# Altium PCB FINAL_PCB_VER1.PcbDoc (part 1 of 4) (continued)
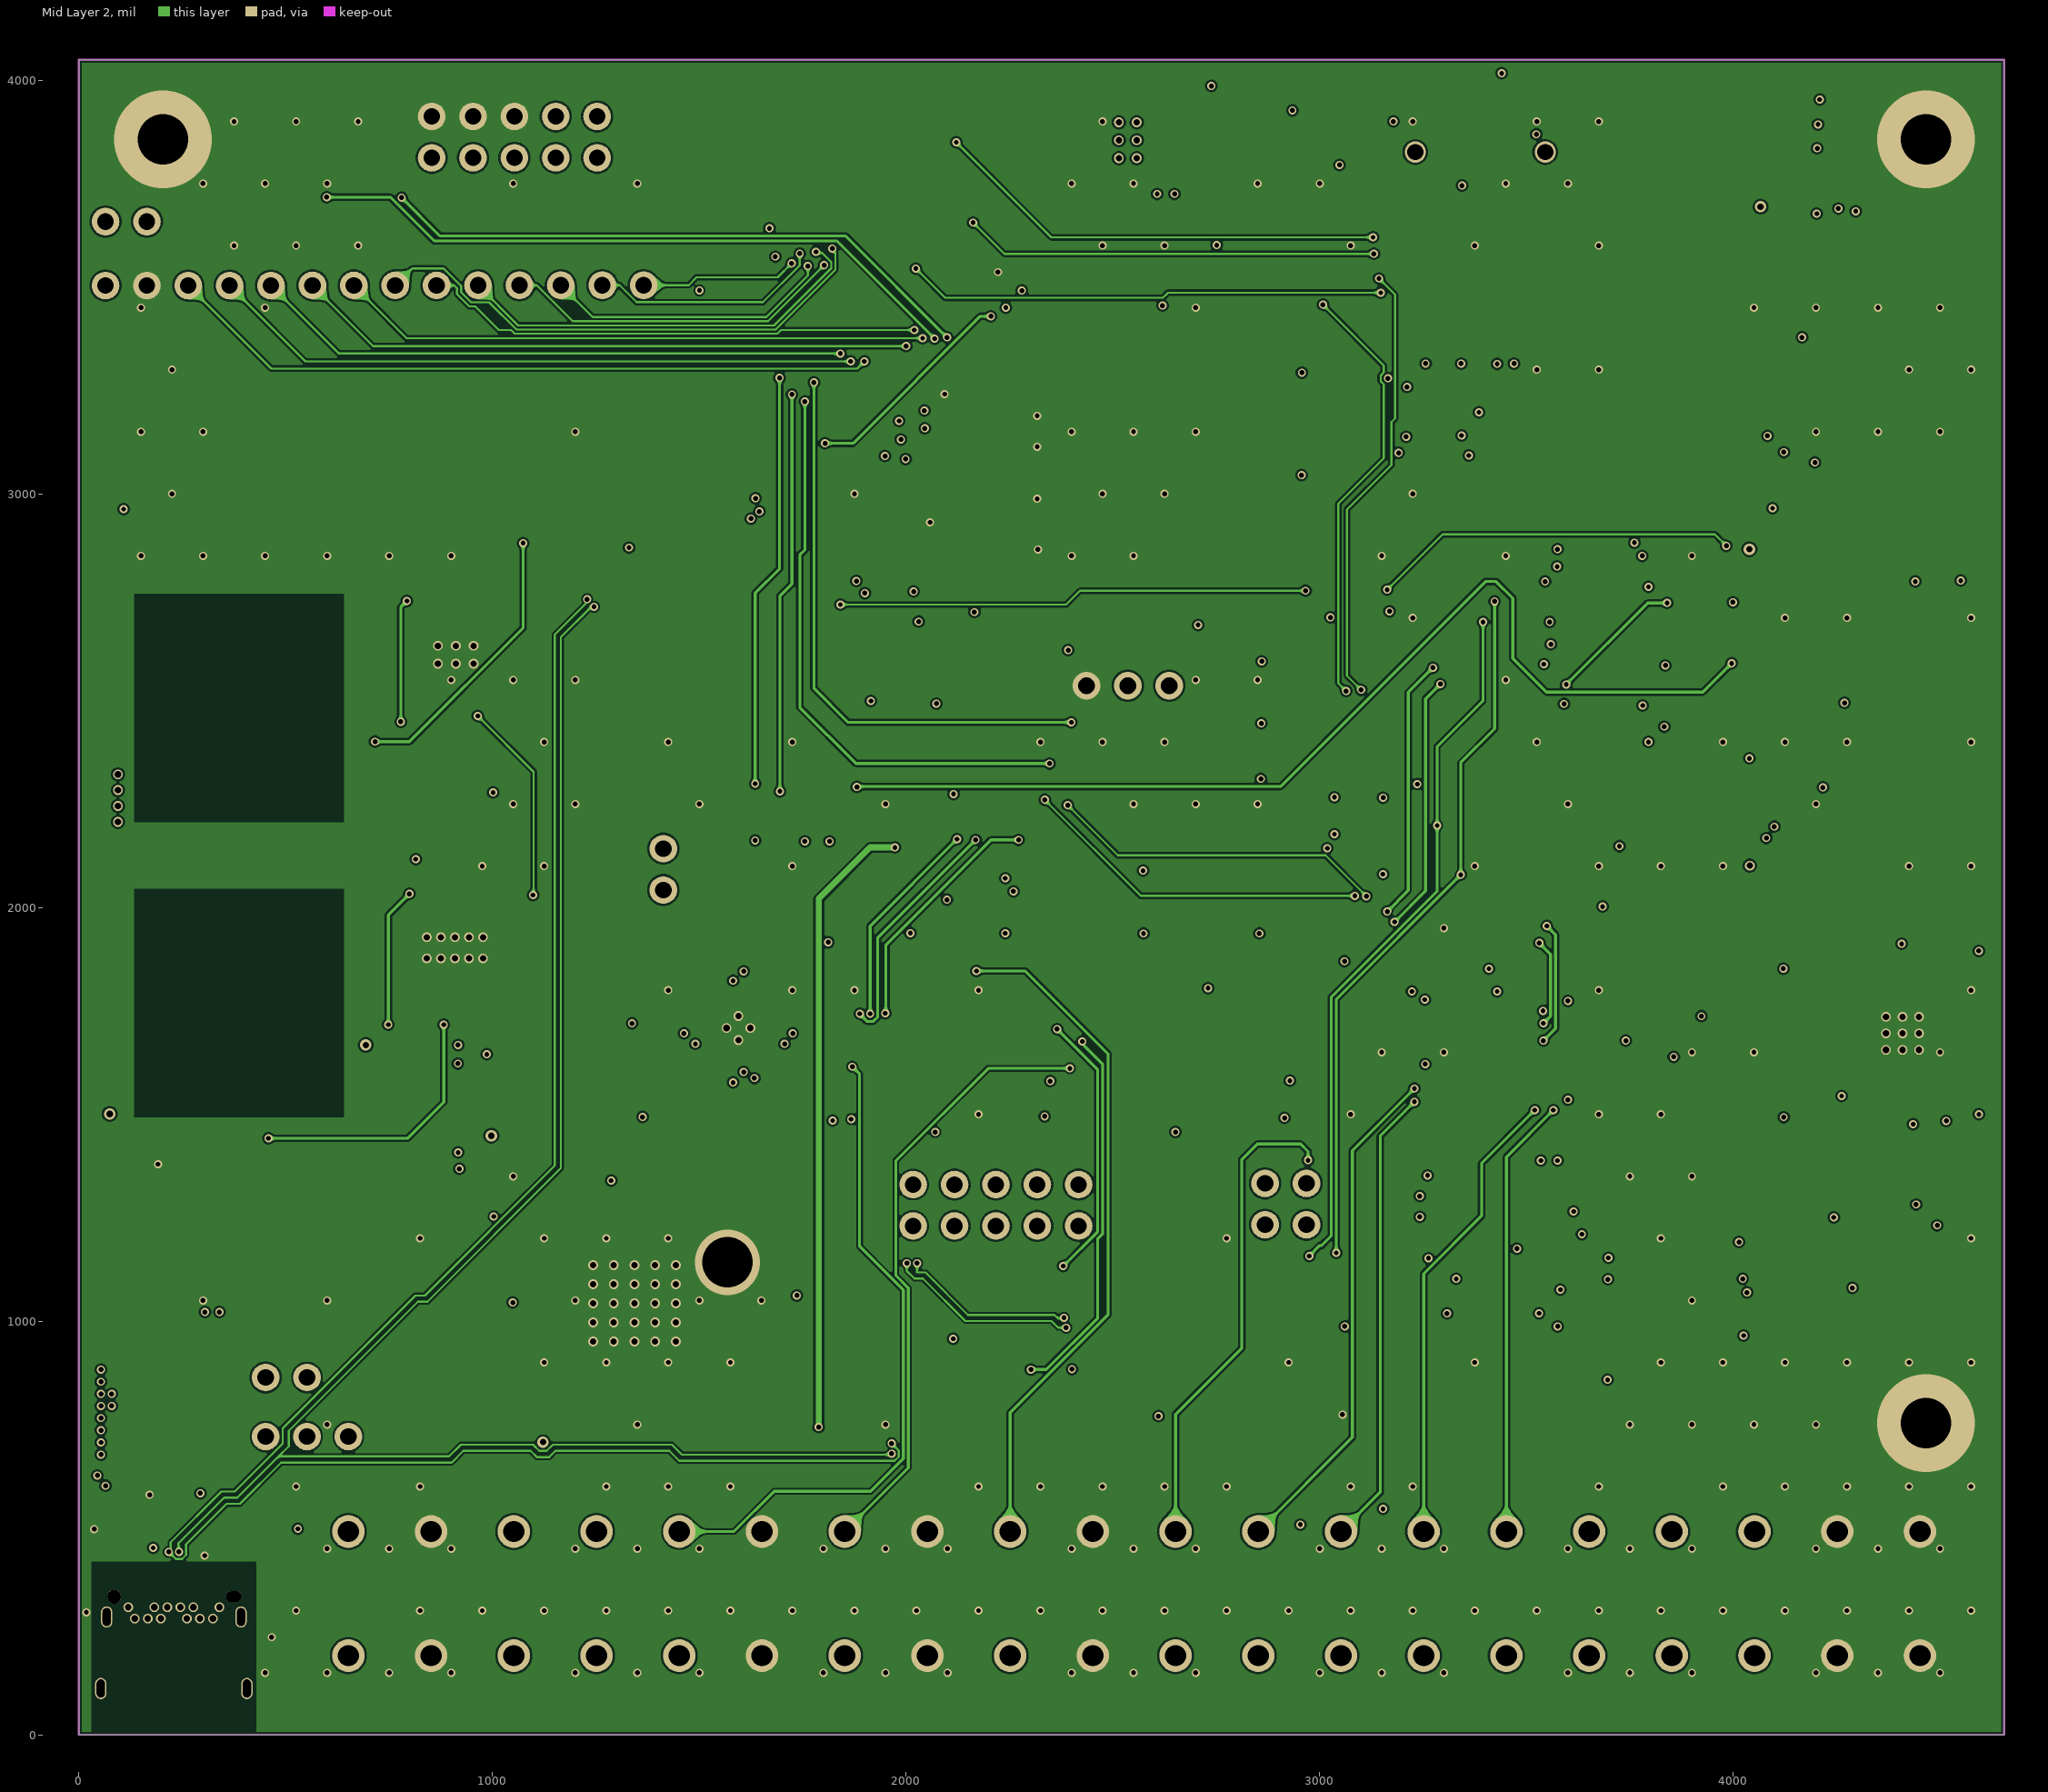
[diagram p3: Mid Layer 2]

## Layer stack, top to bottom
Top Solder: solder mask 0.4, Solder Resist, Dk 3.5
Top Layer: signal copper 1.4
Dielectric 2: prepreg 2.8, PP-006, Dk 4.1
Mid Layer 1: signal copper 1.378
Dielectric 1: dielectric 12.6, FR-4, Dk 4.8
Mid Layer 2: signal copper 1.378
Dielectric 3: prepreg 2.8, PP-006, Dk 4.1
Bottom Layer: signal copper 1.4
Bottom Solder: solder mask 0.4, Solder Resist, Dk 3.5

## Board outline
0,0 4655,0 4655,4049 0,4049

## Design rules (kind name [scope] priority, off if disabled: settings)
Clearance [All] p1: gap=5 ignorepadtopadclearanceinfootprint=FALSE
DiffPairsRouting [All] p1: maxlimit=10 minlimit=10 mostfreqgap=10 toplayer_minwidth=5 toplayer_maxwidth=15 toplayer_prefwidth=15 midlayer1_minwidth=5 midlayer1_maxwidth=15 midlayer1_prefwidth=15 midlayer2_minwidth=5 midlayer2_maxwidth=15 midlayer2_prefwidth=15 bottomlayer_minwidth=5 bottomlayer_maxwidth=15 bottomlayer_prefwidth=15 maxuncoupledlength=500
PolygonConnect PolygonConnect_7 [All vs IsNamedPolygon('GND_L01_P000') Or IsNamedPolygon('GND_L01_P003') Or IsNamedPolygon('GND_L01_P005') Or IsNamedPolygon('GND_L02_P004') Or IsNamedPolygon('GND_L03_P006') Or IsNamedPolygon('GND_L04_P007')] p1: connectstyle=Direct reliefconductorwidth=10 reliefentries=4 polygonreliefangle="90 Angle" airgapwidth=10
PolygonConnect PolygonConnect_6 [All vs IsNamedPolygon('GND_L01_P005')] p2: connectstyle=Direct reliefconductorwidth=10 reliefentries=4 polygonreliefangle="90 Angle" airgapwidth=10
PolygonConnect PolygonConnect_5 [All vs IsNamedPolygon('GND_L01_P000') Or IsNamedPolygon('GND_L01_P003')] p3: connectstyle=Direct reliefconductorwidth=10 reliefentries=4 polygonreliefangle="90 Angle" airgapwidth=10
PolygonConnect PolygonConnect_4 [All vs IsNamedPolygon('GND_L02_P004')] p4: connectstyle=Direct reliefconductorwidth=10 reliefentries=4 polygonreliefangle="90 Angle" airgapwidth=10
PolygonConnect PolygonConnect_3 [All vs IsNamedPolygon('GND_L01_P003')] p5: connectstyle=Direct reliefconductorwidth=10 reliefentries=4 polygonreliefangle="90 Angle" airgapwidth=10
PolygonConnect PolygonConnect_2 [All vs IsNamedPolygon('GND_L01_P001')] p6: connectstyle=Direct reliefconductorwidth=10 reliefentries=4 polygonreliefangle="90 Angle" airgapwidth=10
PolygonConnect PolygonConnect_1 [All vs IsNamedPolygon('GND_L01_P000')] p7: connectstyle=Direct reliefconductorwidth=10 reliefentries=4 polygonreliefangle="90 Angle" airgapwidth=10
PolygonConnect [All] p8: connectstyle=Relief reliefconductorwidth=10 reliefentries=4 polygonreliefangle="90 Angle" airgapwidth=10
RoutingVias [All] p1: holewidth=11.81 width=19.68 viastyle="Through Hole" minholewidth=11.81 minwidth=3.94 maxholewidth=19.68 maxwidth=31.5
SolderMaskExpansion [All] p1: expansion=4 istentingtop=FALSE
Width [All] p1: maxlimit=50 minlimit=5 preferedwidth=7
29 further rules are at their usual default settings.

## Classes and differential pairs
component class TTL-RS485: C2000 C2001 C2002 C2003 C2004 C2005 C2006 D2000 D2001 D2002 D2003 D2004 D2007 F2000 F2001 H2000 J2000 R2000 R2001 R2002 R2003 R2004 R2005 R2006 R2007 R2008 R2009 R2010 R2012 R2014 S2000 U2000 U2001 U2002 X2000
component class MCU_STM32H743VIT6: B5000 B5001 B5002 C5000 C5001 C5002 C5003 C5004 C5005 C5006 C5007 C5008 C5009 C5010 C5011 C5012 C5013 C5014 C5015 C5016 C5017 C5018 CN5000 CN5001 CN5002 CN5003 D5000 D5001 H5000 J5000 R5000 R5001 R5002 R5003 R5004 R5005 R5006 R5007 R5008 R5009 R5010 R5011 R5014 R5015 R5016 R5017 R5026 R5027 R5028 R5029 R5030 R5031 R5032 S5001 SB5000 SB5001 SB5002 SB5003 SB5004 SB5005 SB5006 SB5007 SB5008 SB5009 SB5010 SB5011 SB5012 SB5013 SB5014 SB5015 U5000 U5001 U5002 U5003 U5004 U5005 X5000 X5001
component class ESP32-LORA_RA_08H: B4000 B4001 B4002 B4003 C4000 C4001 C4002 C4003 C4004 C4009 C4010 C4011 D4000 D4001 D4002 D4003 D4004 D4005 D4006 D4007 R4000 R4001 R4002 R4003 R4004 R4005 R4006 R4007 R4008 R4009 R4010 R4011 R4012 R4013 R4014 R4015 R4016 R4017 R4018 R4019 R4020 R4021 R4022 R4023 R4024 R4025 R4026 R4027 R4028 R4029 R4030 S4000 S4001 T4000 T4001 T4002 T4003 T4004 U4000 U4002 X4000 X4001
component class DC-DC: C1000 C1001 C1002 C1003 C1004 C1005 C1006 C1007 C1008 C1009 C1010 C1011 C1012 C1013 C1014 C1015 C1016 C1017 C1018 C1019 C1020 C1021 C1022 C1023 C1024 C1025 C1026 C1027 C1028 C1029 C1030 C1031 C1032 C1033 C1034 D1000 D1001 D1002 D1003 D1004 D1005 D1006 D1007 D1008 D1009 D1010 D1013 D1014 D1015 D1018 F1000 F1001 H1000 J1000 J1001 J1002 L1000 L1001 R1000 R1001 R1002 R1003 R1004 R1005 R1006 R1007 R1008 R1009 R1010 R1011 R1012 R1013 R1014 R1015 R1016 R1017 R1018 R1019 R1020 R1021 R1022 R1023 R1024 R1025 R1026 R1027 R1028 R1029 S1000 SB1000 T1000 U1000 U1001 U1002 U1003 U1004 U1005 U1006 U1007 U1008 U1009 VR1000 VR1001 X1000 X1002
component class ADC: C3000 C3001 C3002 C3003 C3004 C3005 C3006 C3007 C3008 C3009 C3010 C3011 C3012 C3013 C3014 C3015 C3016 C3017 C3018 C3019 C3020 C3021 C3022 C3023 C3024 C3025 C3026 D3000 D3001 D3002 D3003 R3000 R3001 R3002 R3003 R3004 R3005 R3006 R3007 R3008 R3009 R3010 R3011 R3012 TVS3000 TVS3001 U3000 U3001 U3002 U3003 U3004 U3005 U3006 U3007 U3008 VR3000 VR3001
differential pair UD: +UD_P -UD_N
differential pair USB1: +USB1_P -USB1_N
differential pair D1: +D1_P -D1_N

## Components (designator, comment, footprint, x,y, rotation, side; value= is the part's Value field where it differs from the comment)
B4000 "TACTILE 3X4MM" "TACTILE 3X4MM" 4290,2546 r0 top value=N/A
B4001 "TACTILE 3X4MM" "TACTILE 3X4MM" 4290,2396 r180 top value=N/A
B4002 "TACTILE 3X4MM" "TACTILE 3X4MM" 4290,2846 r180 top value=N/A
B4003 "TACTILE 3X4MM" "TACTILE 3X4MM" 4290,2696 r180 top value=N/A
B5000 "FERRITE BEAD 600 OHM" "FERRITE BEAD 0603" 2544,3454 r180 top value="600 OHM"
B5001 "RESET BUTTON" "TACTILE 3X4MM" 531,3862.24 r90 top value=N/A
B5002 "USER BUTTON" "TACTILE 3X4MM" 710,3862.24 r90 top value=N/A
C1000 "4.7uF" "CAP CER 0805" 844.69,1128.68 r180 top
C1001 "4.7uF" "CAP CER 0805" 844.69,1050.68 r180 top
C1002 "10uF" "CAP TAN 1206" 932,637 r180 top
C1003 "10uF" "CAP TAN 1206" 981.41,1088 r90 top
C1004 "10uF" "CAP CER 1206" 345.85,840.79 r90 top
C1005 "1uF" "CAP CER 1206" 107.41,979.79 r90 top
C1006 "4.7uF" "CAP CER 0805" 1846.8,801 r180 top
C1007 "4.7uF" "CAP CER 0805" 1846.8,878.83 r180 top
C1008 "10uF" "CAP TAN 1206" 1753.69,1288 r0 top
C1009 "10uF" "CAP TAN 1206" 1716.17,839 r270 top
C1010 "10nF" "CAP CER 0603" 811.31,1716.78 r0 top
C1011 "10uF" "CAP TAN 2312" 1567,867.83 r270 top
C1012 "4.7uF" "CAP CER 0805" 912.05,2169.15 r0 top
C1013 "4.7uF" "CAP CER 0805" 912.05,2089.78 r0 top
C1014 "47uF" "CAP CER 1206" 191.05,1339.78 r180 top
C1015 "47uF" "CAP CER 1206" 191.05,1429.11 r180 top
C1016 "220uF" "CAP ALUM 6377" 448.08,1324.78 r180 top
C1017 "10uF" "CAP TAN 2312" 1122,867.83 r270 top
C1018 "100nF" "CAP CER 0603" 1399.58,1670.04 r180 top
C1019 "100nF" "CAP CER 0603" 1607.37,1513.42 r270 top
C1020 "100nF" "CAP CER 0603" 1789.58,1746.81 r0 top
C1021 "100nF" "CAP CER 0603" 1789.58,1670.04 r180 top
C1022 "100nF" "CAP CER 0603" 801.05,2407.78 r0 top
C1023 "47uF" "CAP CER 1206" 695.05,2292.78 r90 top
C1024 "47uF" "CAP CER 1206" 787.05,2292.78 r90 top
C1025 "10nF" "CAP CER 0805" 912.43,2408.45 r0 top
C1026 "4.7uF" "CAP CER 0805" 912.43,2328.48 r0 top
C1027 "4.7uF" "CAP CER 0805" 912.43,2248.52 r0 top
C1028 "47pF" "CAP CER 0603" 958.77,2855.78 r0 top
C1029 "1nF" "CAP CER 0603" 958.77,2794.78 r0 top
C1030 "10nF" "CAP CER 0805" 1030.05,2408.45 r0 top
C1031 "1uF" "CAP CER 0603" 62,2940.28 r270 top
C1032 "1uF" "CAP CER 0603" 93.31,3184 r0 top
C1033 "1uF" "CAP CER 0603" 1065.76,1181 r270 top
C1034 "1uF" "CAP CER 0603" 1217,1317.07 r270 top
C2000 "100nF" "CAP CER 0603" 3636,957.47 r0 top
C2001 "100nF" "CAP CER 0603" 3637,1352 r0 top
C2002 "33pF" "CAP CER 0603" 3637,1302 r0 top
C2003 "100nF" "CAP CER 0603" 2146.95,804.58 r270 top
C2004 "100nF" "CAP CER 0603" 2581.95,933 r0 top
C2005 "22pF" "CAP CER 0603" 2719.87,1184 r0 top
C2006 "22pF" "CAP CER 0603" 2570.74,1184 r180 top
C3000 "0.47uF" "CAP CER 0603" 2003.11,1609 r180 top
C3001 "0.47uF" "CAP CER 0603" 2003.11,1510.2 r180 top
C3002 "100nF" "CAP CER 0603" 2951.2,1535.8 r0 top
C3003 "100nF" "CAP CER 0603" 2581.2,1457 r180 top
C3004 "100nF" "CAP CER 0603" 3599,1839.41 r90 top
C3005 "100nF" "CAP CER 0603" 3544,1839.41 r90 top
C3006 "0.47uF" "CAP CER 0603" 2581.2,1510.2 r180 top
C3007 "0.47uF" "CAP CER 0603" 2581.2,1609 r180 top
C3008 "100nF" "CAP CER 0603" 2373.11,1535.8 r0 top
C3009 "100nF" "CAP CER 0603" 2003.11,1457 r180 top
C3010 "100nF" "CAP CER 0603" 3544,1604.66 r90 top
C3011 "100nF" "CAP CER 0603" 3599,1604.66 r90 top
C3012 "4.7nF" "CAP CER 0603" 1983,1869 r270 top
C3013 "22nF" "CAP CER 0603" 2129.78,1869 r270 top
C3014 "100nF" "CAP CER 0603" 2076.78,1869 r90 top
C3015 "100nF" "CAP CER 0603" 1913.78,2088.57 r270 top
C3016 "100nF" "CAP CER 0603" 1913.78,1988.57 r90 top
C3017 "4.7nF" "CAP CER 0603" 3075.7,1607 r0 top
C3018 "22nF" "CAP CER 0603" 2890,1869 r270 top
C3019 "100nF" "CAP CER 0603" 2951,2088.57 r270 top
C3020 "100nF" "CAP CER 0603" 2951,1988.57 r270 top
C3021 "100nF" "CAP CER 0603" 2484,2088.57 r270 top
C3022 "100nF" "CAP CER 0603" 2484,1988.57 r90 top
C3023 "100nF" "CAP CER 0603" 2430,2088.57 r270 top
C3024 "100nF" "CAP CER 0603" 2430,1988.57 r90 top
C3025 "100nF" "CAP CER 0603" 2333.78,2088.57 r270 top
C3026 "100nF" "CAP CER 0603" 2333.78,1988.57 r90 top
C4000 "100nF" "CAP CER 0603" 4492,2546 r270 top
C4001 "100nF" "CAP CER 0603" 4492,2396 r270 top
C4002 "10uF" "CAP CER 0603" 3887,1999.67 r90 top
C4003 "100nF" "CAP CER 0603" 3943,1999.67 r90 top
C4004 "100nF" "CAP CER 0603" 4492,2846 r90 top
C4009 "100nF" "CAP CER 0603" 4492,2696 r90 top
C4010 "10uF" "CAP CER 0603" 3924,3599.33 r90 top
C4011 "100nF" "CAP CER 0603" 3983,3599.33 r90 top
C5000 "100nF" "CAP CER 0603" 1477,3615 r180 top
C5001 "100nF" "CAP CER 0603" 1393,2844.94 r270 top
C5002 "100nF" "CAP CER 0603" 2302,3614 r0 top
C5003 "100nF" "CAP CER 0603" 1477,3561 r180 top
C5004 "100nF" "CAP CER 0603" 2302,3560 r0 top
C5005 "100nF" "CAP CER 0603" 2177.64,2764 r0 top
C5006 "100nF" "CAP CER 0603" 1454,2844.94 r270 top
C5007 "1.5pF" "CAP CER 0603" 2363.83,3081.22 r270 top
C5008 "1.5pF" "CAP CER 0603" 2363.83,3230.35 r90 top
C5009 "2.2uF" "CAP CER 0603" 1422,2968.78 r180 top
C5010 "2.2uF" "CAP CER 0603" 1610,3561 r180 top
C5011 "3.9pF" "CAP CER 0603" 2363.83,2858.63 r270 top
C5012 "3.9pF" "CAP CER 0603" 2363.83,2961.63 r90 top
C5013 "100nF" "CAP CER 0603" 531,3669 r0 top
C5014 "100nF" "CAP CER 0603" 710,3669 r0 top
C5015 "100nF" "CAP CER 0603" 3462.32,3916.53 r0 top
C5016 "100nF" "CAP CER 0603" 2740.79,3929.52 r0 top
C5017 "100nF" "CAP CER 0603" 3462.32,3970.99 r0 top
C5018 "100nF" "CAP CER 0603" 3096,2661 r0 top
CN5000 "SMD HEADER 10X2X2.54MM" "SMD HEADER 10X2X2.54MM" 1841,2487.56 r180 top value=N/A
CN5001 "SMD HEADER 10X2X2.54MM" "SMD HEADER 10X2X2.54MM" 800.04,3096.44 r180 top value=N/A
CN5002 "SMD HEADER 10X2X2.54MM" "SMD HEADER 10X2X2.54MM" 1851.83,3856.44 r0 top value=N/A
CN5003 "SMD HEADER 8X2X2.54MM" "SMD HEADER 8X2X2.54MM" 2957,3165.63 r270 top value=N/A
D1000 "LED RED" "LED RED 0603" 1209,625 r180 top value=N/A
D1001 "SS14 - 40V/1A" DO-214AC 730.05,1898.38 r90 top value=1A
D1002 "SS14 - 40V/1A" DO-214AC 730.05,2610.78 r90 top value=1A
D1003 "LED RGB 5050" "LED RGB 5050" 1183,1585 r0 top value="5 x 5 x 1.5mm"
D1004 "PSD12C" SOD-323 1451.41,646 r90 top value="50 pF, 29.5V"
D1005 "PSD12C" SOD-323 1851.41,646 r90 top value="50 pF, 29.5V"
D1006 "PSD12C" SOD-323 2251.41,646 r90 top value="50 pF, 29.5V"
D1007 "PSD12C" SOD-323 2651.41,646 r90 top value="50 pF, 29.5V"
D1008 "PSD12C" SOD-323 3051.41,646 r90 top value="50 pF, 29.5V"
D1009 "PSD12C" SOD-323 3251.41,646 r90 top value="50 pF, 29.5V"
D1010 "PSD12C" SOD-323 3451.41,646 r90 top value="50 pF, 29.5V"
D1013 "PSD12C" SOD-323 3651.41,646 r90 top value="50 pF, 29.5V"
D1014 "PSD12C" SOD-323 3851.41,646 r90 top value="50 pF, 29.5V"
D1015 "PSD12C" SOD-323 4051.41,646 r90 top value="50 pF, 29.5V"
D1018 "PSD12C" SOD-323 2851.41,646 r90 top value="50 pF, 29.5V"
D2000 "SMBJ36CA" DO-214AA 3153.31,916 r270 top value="36V 58.1V"
D2001 "SMBJ36CA" DO-214AA 3153.31,1239.68 r270 top value="36V 58.1V"
D2002 "SMBJ36CA" DO-214AA 2953.31,916 r90 top value="36V 58.1V"
D2003 "LL4148" SOD-80 3423,1453 r180 top value=100V/0.2A
D2004 "LED R/B 0805" "LED RB 0805" 3634,1210 r180 top value=0805
D2007 "LED R/B 0805" "LED RB 0805" 2597.96,867.25 r0 top value=0805
D3000 "PSD12C" SOD-323 1919.5,1567.51 r270 top value="50 pF, 29.5V"
D3001 "PSD12C" SOD-323 2494.2,1567.51 r270 top value="50 pF, 29.5V"
D3002 "1N4148W-E3-18" SOD-123 3135,1760 r270 top value="75V 150mA"
D3003 "1N4148W-E3-18" SOD-123 3052.98,1760 r90 top value="75V 150mA"
D4000 "1N4148W-E3-18" SOD-123 4042.41,1080.74 r90 top value="75V 150mA"
D4001 "LED RGB 5050" "LED RGB 5050" 4504.91,2195 r0 top value="5 x 5 x 1.5mm"
D4002 "PSD12C" SOD-323 3825,1999.67 r90 top value="50 pF, 29.5V"
D4003 "1N4148W-E3-18" SOD-123 3476.9,3013 r180 top value="75V 150mA"
D4004 "LED RGB 5050" "LED RGB 5050" 3854,3908 r180 top value="5 x 5 x 1.5mm"
D4005 "1N4148W-E3-18" SOD-123 3751.09,3623 r90 top value="75V 150mA"
D4006 "LED R/B 0805" "LED RB 0805" 3770,3031.38 r0 top value=0805
D4007 "PSD12C" SOD-323 3857,3599.33 r90 top value="50 pF, 29.5V"
D5000 "LED RGB 5050" "LED RGB 5050" 3398.42,3560.05 r0 top value="5 x 5 x 1.5mm"
D5001 "LED RED" "LED RED 0603" 2635.44,2623 r0 top value=N/A
F1000 "MF-MSMF250/16V/2.5A" "FUSE 1812" 604.41,1046.79 r180 top value=16V/2.5A
F1001 "MF-NSMF200-2 6V/2A" "FUSE 1206" 188.05,1238.78 r180 top value=6V/2A
F2000 "MF-NSMF200-2 6V/2A" "FUSE 1206" 3153.31,661.79 r90 top value=6V/2A
F2001 "MF-NSMF200-2 6V/2A" "FUSE 1206" 2953.31,661.79 r90 top value=6V/2A
H1000 "3PIN JUMPER" "JUMPER 3" 551.41,720.79 r0 top value=N/A
H2000 "HEADER 5X2" "HEADER 5X2" 2217,1280 r0 top value=N/A
H5000 "HEADER 5X2" "HEADER 5X2" 1053,3862.24 r180 top value=N/A
J1000 "JUMPER 2" "JUMPER 2" 501.41,863.79 r0 top value=N/A
J1001 "JUMPER 2" "JUMPER 2" 1413,2092 r90 top value=N/A
J1002 "JUMPER 2" "JUMPER 2" 114.23,3658 r0 top value=N/A
J2000 "JUMPER 2X2" "JUMPER 2X2" 2868,1283 r270 top value=N/A
J5000 "JUMPER 3" "JUMPER 3" 2536.09,2536 r0 top value=N/A
L1000 "LD127-22uH" "INDUCTOR 1280" 387.05,1769.04 r270 top value=N/A
L1001 "LD127-6.8uH" "INDUCTOR 1280" 387.05,2481.7 r270 top value=N/A
R1000 "0R" "RESC 0805(2012) SMD" 152.44,853.79 r0 top
R1001 "0R" "RESC 0603(1608) SMD" 761.41,726.18 r90 top
R1002 "100R" "RESC 1206(3116) SMD" 310.41,720.6 r0 top
R1003 "100KR" "RESC 0805(2012) SMD" 454.41,496.79 r0 top
R1004 "5.1KR" "RESC 0805(2012) SMD" 454.41,633.45 r180 top
R1005 "5.1KR" "RESC 0805(2012) SMD" 454.41,565.12 r180 top
R1006 "0R" "RESC 0603(1608) SMD" 1934.07,1194.61 r270 top
R1007 "0R" "RESC 0805(2012) SMD" 1209,688 r0 top
R1008 "680R" "RESC 0603(1608) SMD" 1108,625 r180 top
R1009 "10.2KR" "RESC 0603(1608) SMD" 955.48,1716.78 r0 top
R1010 "2.2R" "RESC 0603(1608) SMD" 811.31,1667.43 r180 top
R1011 "0.1R" "RESC 2512 SMD" 811.81,1516.79 r180 top
R1012 "2.2R" "RESC 0603(1608) SMD" 811.31,1622.43 r180 top
R1013 "10KR" "RESC 0603(1608) SMD" 1399.58,1721.22 r180 top
R1014 "2.2R" "RESC 0603(1608) SMD" 352.87,946.79 r0 top
R1015 "0.1R" "RESC 2512 SMD" 324.41,1046.79 r0 top
R1016 "2.2R" "RESC 0603(1608) SMD" 219.41,946.79 r180 top
R1017 "47KR" "RESC 0603(1608) SMD" 1030.05,2328.49 r180 top
R1018 "680R" "RESC 0603(1608) SMD" 1531.8,1909.25 r90 top
R1019 "680R" "RESC 0603(1608) SMD" 1399.58,1764.42 r180 top
R1020 "680R" "RESC 0603(1608) SMD" 1556.19,1513.42 r270 top
R1021 "2.2R" "RESC 0603(1608) SMD" 811.31,1407.66 r180 top
R1022 "10KR" "RESC 0603(1608) SMD" 1225.55,1936.79 r90 top
R1023 "0.1R" "RESC 2512 SMD" 811.81,1255.08 r180 top
R1024 "10.2KR" "RESC 0603(1608) SMD" 1074.05,2825.28 r270 top
R1025 "2.2R" "RESC 0603(1608) SMD" 811.31,1364.79 r180 top
R1026 "29.4KR" "RESC 0603(1608) SMD" 1029.05,2825.28 r270 top
R1027 "10KR" "RESC 0603(1608) SMD" 1631.76,1909.25 r270 top
R1028 "10KR" "RESC 0603(1608) SMD" 1581.78,1909.25 r270 top
R1029 "10KR" "RESC 0603(1608) SMD" 1182.41,1936.79 r90 top
R2000 "4.7KR" "RESC 0603(1608) SMD" 3637,1404 r0 top
R2001 "4.7KR" "RESC 0603(1608) SMD" 3636,857.47 r0 top
R2002 "4.7KR" "RESC 0603(1608) SMD" 3636,1102 r0 top
R2003 "120R" "RESC 1206(3116) SMD" 3351.41,662 r90 top
R2004 "22KR" "RESC 0603(1608) SMD" 3636,1152 r0 top
R2005 "4.7KR" "RESC 0603(1608) SMD" 3636,907.47 r180 top
R2006 "2.2KR" "RESC 0603(1608) SMD" 3636,1008 r0 top
R2007 "2.2KR" "RESC 0603(1608) SMD" 3636,1052 r0 top
R2008 "1KR" "RESC 0603(1608) SMD" 2581.95,1039.58 r180 top
R2009 "1KR" "RESC 0603(1608) SMD" 2581.95,989.58 r180 top
R2010 "1KR" "RESC 0603(1608) SMD" 2581.95,808.58 r180 top
R2012 "47R" "RESC 0603(1608) SMD" 1989,1069 r90 top
R2014 "47R" "RESC 0603(1608) SMD" 2039,1069 r90 top
R3000 "10KR" "RESC 0603(1608) SMD" 3468.11,1914 r180 top
R3001 "10KR" "RESC 0603(1608) SMD" 3468.11,1956 r180 top
R3002 "1R" "RESC 0603(1608) SMD" 2003.11,1558 r180 top
R3003 "1R" "RESC 0603(1608) SMD" 2581.2,1558 r180 top
R3004 "10KR" "RESC 0603(1608) SMD" 3468.11,1722 r180 top
R3005 "10KR" "RESC 0603(1608) SMD" 3468.11,1679 r180 top
R3006 "100KR" "RESC 0603(1608) SMD" 2098.78,2075.22 r270 top
R3007 "200KR" "RESC 0603(1608) SMD" 2151.78,2075.22 r90 top
R3008 "200KR" "RESC 0603(1608) SMD" 2029.78,1869 r90 top
R3009 "100KR" "RESC 0603(1608) SMD" 2125.28,1980.92 r180 top
R3010 "100KR" "RESC 0603(1608) SMD" 2730,1869 r90 top
R3011 "200KR" "RESC 0603(1608) SMD" 2815.2,1869 r90 top
R3012 "200KR" "RESC 0603(1608) SMD" 2772.6,1869 r90 top
R4000 "4.7KR" "RESC 0603(1608) SMD" 3727,2439.76 r180 top
R4001 "10KR" "RESC 0603(1608) SMD" 3955.46,1195.39 r180 top
R4002 "10KR" "RESC 0603(1608) SMD" 3955.46,939.89 r180 top
R4003 "10KR" "RESC 0603(1608) SMD" 3955.46,1003.77 r180 top
R4004 "4.7KR" "RESC 0603(1608) SMD" 3955.46,1067.64 r180 top
R4005 "4.7KR" "RESC 0603(1608) SMD" 3955.46,1131.52 r180 top
R4006 "22R" "RESC 0603(1608) SMD" 4440,2546 r90 top
R4007 "22R" "RESC 0603(1608) SMD" 4440,2396 r90 top
R4008 "10KR" "RESC 0603(1608) SMD" 3768,1999.67 r90 top
R4009 "470R" "RESC 0603(1608) SMD" 4278.63,2119.46 r270 top
R4010 "470R" "RESC 0603(1608) SMD" 4199.89,2119.46 r270 top
R4011 "470R" "RESC 0603(1608) SMD" 4121.15,2119.46 r270 top
R4012 "10KR" "RESC 0603(1608) SMD" 3727,2539.76 r0 top
R4013 "10KR" "RESC 0603(1608) SMD" 3727,2489.76 r0 top
R4014 "10KR" "RESC 0603(1608) SMD" 3727,2589.76 r0 top
R4015 "10KR" "RESC 0603(1608) SMD" 3727,2639.76 r0 top